# Altium PCB PLC1.PcbDoc (part 2 of 4)
Units mm, origin at the board's own origin, x right, y up, seen from the top; angles counter-clockwise.
Board outline 175 x 81 mm, 2 copper layers (Top Layer, Bottom Layer), stack 1.471 mm thick; 347 components, 299 nets, 1265 pads, 687 vias.
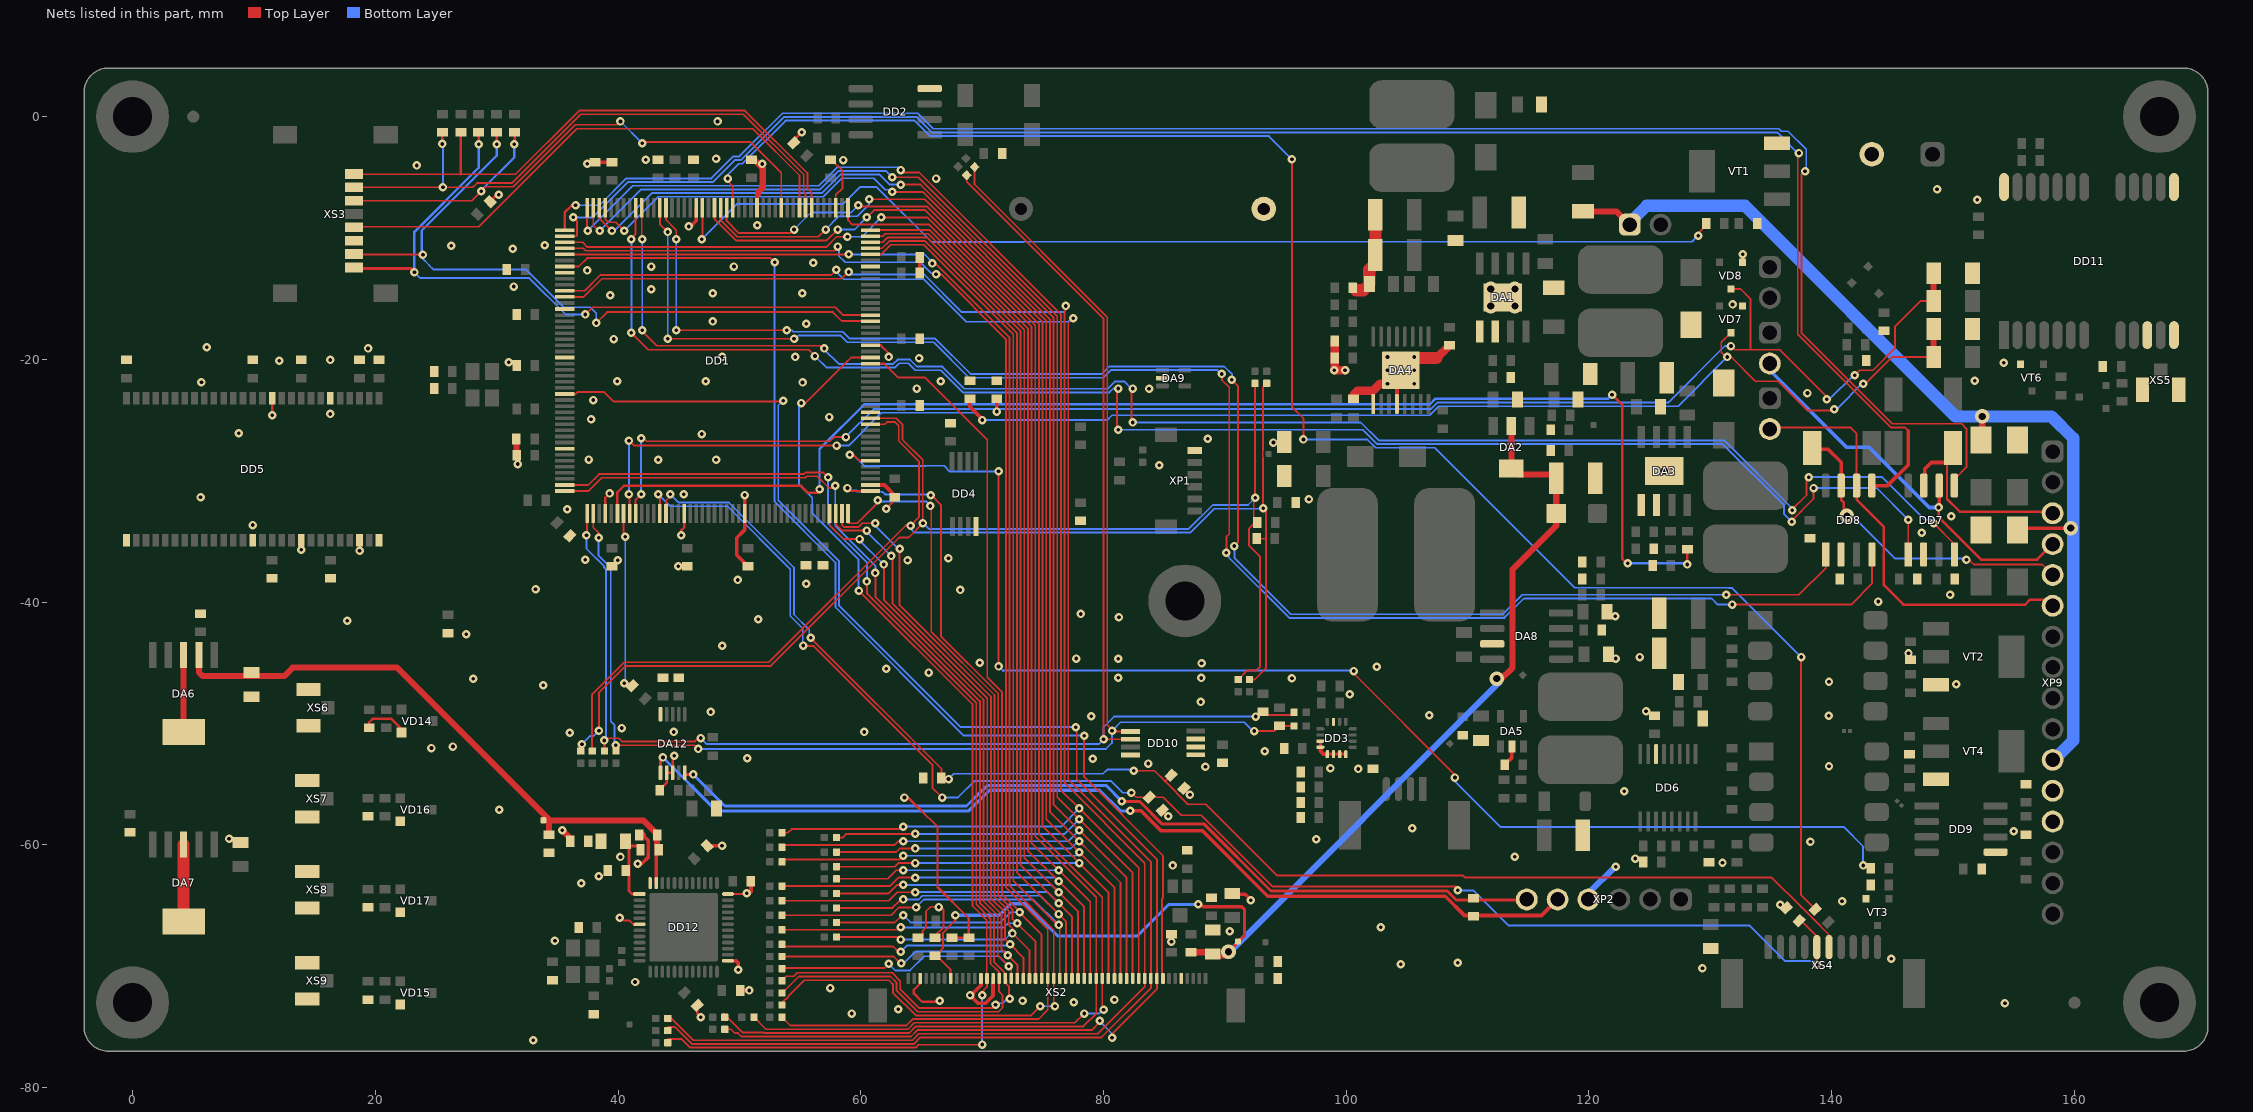
[diagram p2: the nets of this part, all layers, seen from the top]

## Via types
v1: diameter 0.7, hole 0.3, Top Layer to Bottom Layer, tented both sides, 670 vias
v2: diameter 1.2, hole 0.6, Top Layer to Bottom Layer, tented both sides, 16 vias
v3: diameter 0.7, hole 0.3, Top Layer to Bottom Layer, tented top, 1 vias

## Nets (pads, with @x,y where several pads share a name; then routed paths per layer and width w, separated by ;. In a path a pad name is that pad's centre, name@x,y a point inside that pad or via, vN(x,y) a via of type N, cw(c..) or ccw(c..) an arc to the next point about the centre after c; other vN are vias at no path point) (continued)
+24V: FU1.1 VD10.2 VD12.2 XP8.1 XP9.11 | length 83.2
  Top Layer w0.3: VD12.2@155.3,-34.05 155.45,-33.9 v2(159.7,-33.9)
  Top Layer w0.5: FU1.1@119.5,-7.8 122.26,-7.8 XP8.1@123.36,-8.9 ; VD10.2@152.3,-26.65 152.4,-26.55 v2(152.4,-24.7)
  Bottom Layer w0.5: XP8.1@123.36,-8.9 XP8.1@123.36,-8.74 ; XP9.11@158.2,-53 XP9.11@158.3,-53
  Bottom Layer w1: XP8.1@123.36,-8.74 124.752,-7.348 132.848,-7.348 150.2,-24.7 v2(152.4,-24.7) 158.1,-24.7 159.9,-26.5 159.9,-51.4 XP9.11@158.3,-53
ADC12_IN6: C109.2 DD1.52 R73.1 R77.2 VD7.3 | length 128.4
  Top Layer w0.15: v1(40.9,-31.1) 40.95,-31.15 DD1.52@40.95,-32.7 ; v1(40.9,-26.7) 41.293,-27.093 57.993,-27.093 v1(58,-27.1) ; VD7.3@131.7,-17.8 130.9,-18.6 130.9,-19.4 131.3,-19.8 v1(131.4,-19.8) 131.702,-19.8 133.702,-21.8 135.6,-21.8 138,-24.2 140,-24.2 v1@140.2,-24 ; v1(140.2,-24.1) v1@140.4,-24.1 ; v1(142.6,-22) 142.6,-21.9 142.9,-21.9 145,-19.8 R77.2@148.4,-19.8
  Top Layer w0.3: C109.2@69,-23.25 69,-23.9 70.1,-25 v1(70,-25)
  Top Layer w0.5: R77.2@148.4,-19.8 R73.1@148.4,-17.5
  Bottom Layer w0.15: v1(40.9,-31.1) v1@40.9,-26.8 ; v1(58,-27.1) 59,-27.1 61.7,-24.4 69.4,-24.4 v1(70,-25) 80.3,-25 80.7,-24.6 106.881,-24.6 107.622,-23.86 127.34,-23.86 v1(131.4,-19.8) ; v1(140.2,-24.1) 140.4,-24.1 142.6,-21.9 v1(142.6,-22)
ADC12_IN7: C110.2 DD1.53 R72.1 R75.2 VD8.3 | length 132.4
  Top Layer w0.15: DD1.53@41.45,-32.7 41.45,-31.55 v1(41.9,-31.1) ; v1(41.9,-26.5) 42.102,-26.5 42.352,-26.75 57.45,-26.75 57.8,-26.4 v1(58.777,-26.4) ; v1(131.7,-18.9) 132,-19.2 133.3,-19.2 ; VD8.3@131.7,-14.2 132.5,-14.2 133.3,-15 133.3,-19.2 ; v1(139.6,-23.3) 139.8,-23.3 135.7,-19.2 133.3,-19.2 ; v1(141.9,-21.3) 142.3,-20.9 143.4,-20.9 145.2,-19.1 145.2,-17.3 147.3,-15.2 R75.2@148.4,-15.2
  Top Layer w0.3: v1(71.2,-24.3) C110.2@71.2,-23.25
  Top Layer w0.5: R75.2@148.4,-15.2 R72.1@148.4,-12.9
  Bottom Layer w0.15: v1(41.9,-31.1) v1(41.9,-26.5) ; v1(58.777,-26.4) 58.777,-26.38 61.06,-24.098 106.956,-24.098 107.496,-23.557 126.543,-23.557 131.2,-18.9 v1(131.7,-18.9) ; v1(139.6,-23.3) 139.8,-23.3 141.8,-21.3 v1(141.9,-21.3)
AUD+: DA12.10 R109.2 XP2.6 | length 75.1
  Top Layer w0.25: DA12.10@45.5,-54.3 45.6,-54.2 v1(46.2,-54.2) ; v1(81.5,-56.4) 81.527,-56.427 82.977,-56.427 84.85,-58.3 88.3,-58.3 93.8,-63.8 108.325,-63.8 109.05,-64.525 114.85,-64.525 XP2.6@114.875,-64.5
  Bottom Layer w0.25: v1(46.2,-54.2) 48.798,-56.798 68.702,-56.798 70.002,-55.498 70.038,-55.498 70.438,-55.098 80.198,-55.098 v1(81.5,-56.4)
AUD-: DA12.6 R109.1 XP2.5 | length 82.4
  Top Layer w0.25: DA12.6@43.5,-54.05 43.5,-53 v1(43.7,-52.8)
  Top Layer w0.3: v1(82.2,-57.2) 83.096,-57.2 84.721,-58.825 88.125,-58.825 93.527,-64.227 108.148,-64.227 109.746,-65.825 116.09,-65.825 XP2.5@117.415,-64.5
  Bottom Layer w0.25: v1(43.7,-52.8) 48.1,-57.2 68.904,-57.2 70.604,-55.5 79.673,-55.5 81.373,-57.2 v1(82.2,-57.2)
AUDIO_OUT: C117.2 DD1.51 | length 14.8
  Top Layer w0.15: DD1.51@40.45,-32.7 40.45,-34.35 v1(40.6,-34.6)
  Top Layer w0.2: v1(40.525,-46.675) 41.05,-46.675 C117.2@41.187,-46.812
  Bottom Layer w0.15: v1(40.525,-46.675) 40.6,-46.6 v1(40.6,-34.6)
AVDAD: C64.2 C126.1 DD12.1 L9.1 | length 5.7
  Top Layer w0.254: DD12.1@41.75,-64.05 41.15,-64.05 40.9,-63.8 40.9,-60.1 L9.1@41.95,-60.1
AVDD_DISP: C32.2 C34.2 C77.1 DA2.2 DA2.4 R3.1 R22.1 TP1.1 VD5.2 XS2.43 | length 98
  Top Layer w0.15: C77.1@66.1,-69.15 66.777,-68.473 66.777,-67.248 67.8,-66.225 v1(67.8,-65.8) ; C77.1@66.2,-69.15 66.25,-69.15 67.4,-70.3 XS2.43@67.4,-71
  Top Layer w0.25: v1(87.8,-64.9) 88,-64.9 88.2,-65.1 91.4,-65.1 91.6,-65.3 91.6,-67.5 v2(90.3,-68.8)
  Top Layer w0.3: C34.2@89,-69.2 90.3,-69.2 v2(90.3,-68.8)
  Top Layer w0.5: R22.1@87.2,-68.85 88.85,-68.85 C34.2@89,-69 ; v2@112.7,-46.4 113.7,-45.4 113.7,-37.3 117.3,-33.7 C32.2@117.3,-29.8 117,-29.5 114.1,-29.5 DA2.4@113.6,-29 DA2.2@113.6,-25.5
  Bottom Layer w0.25: v1(67.8,-65.8) 71.4,-65.8 72.348,-64.852 73.554,-64.852 76.201,-67.499 82.801,-67.499 85.4,-64.9 v1(87.8,-64.9)
  Bottom Layer w0.5: v2@90.4,-68.9 90.4,-68.838 v2@112.538,-46.7
  other v2: 112.4,-46.3
AVDPLL: C57.2 C60.1 C125.1 DA6.2 DD12.47 L9.2 TP5.1 | length 50.5
  Top Layer w0.254: L9.2@43.15,-60 43.25,-59.9
  Top Layer w0.3: DD12.47@43.15,-63.15 L9.2@43.15,-60
  Top Layer w0.5: DA6.2@5.47,-44.36 5.47,-45.77 5.8,-46.1 12.5,-46.1 13.2,-45.4 21.8,-45.4 26.2,-49.8 34.3,-57.9 C125.1@34.3,-59.15 ; 34.3,-58 34.302,-58.002 42.102,-58.002 43.2,-59.1 43.2,-59.9
CAN1_CONT: DD1.1 DD7.5 | length 145.5
  Top Layer w0.15: v1(137.8,-4.5) 137.5,-4.8 137.5,-17.8 145,-25.3 150.7,-25.3 151.1,-25.7 151.1,-28.9 150.2,-29.8 DD7.5@150.2,-30.4
  Top Layer w0.2: DD1.1@35.6,-9.35 35.6,-7.9 36.2,-7.3 v1(36.5,-7.3)
  Bottom Layer w0.15: v1(36.5,-7.3) 38.472,-7.3 40.68,-5.093 44.4,-5.093 44.407,-5.086 47.689,-5.086 49.498,-3.277 49.995,-3.277 53.552,0.28 56.051,0.28 56.053,0.277 64.7,0.277 65.975,-0.998 135.625,-0.998 135.825,-1.198 136.398,-1.198 137.9,-2.7 v1@137.9,-4.5
CAN1_RX: DD1.167 DD7.4 | length 133.5
  Top Layer w0.15: DD1.167@41.95,-7.5 41.95,-9.95 42.1,-10.1 v1(42,-10.1) ; v1(42,-17.6) 42,-17.7 43.177,-18.877 56.677,-18.877 57,-19.2 v1(57,-19.1) ; v1(82.4,-25.2) 82.3,-25.2 82.3,-22.4 v1(82.4,-22.4) ; v1(136.75,-32.425) 136.75,-32.35 137.923,-31.177 137.923,-29.977 v1@138.1,-29.8 ; v1@138,-29.9 v1@138.1,-29.8 ; v1(138.1,-29.7) v1@138.1,-29.8 ; v1@138.2,-29.8 v1@138.1,-29.8 ; v1(148.4,-33.5) 150.11,-35.21 DD7.4@150.11,-36.075
  Bottom Layer w0.15: v1(42,-17.6) v1(42,-10.1) ; v1(57,-19.1) 57,-19.2 58.177,-20.377 62.678,-20.377 63.036,-20.02 64.054,-20.02 64.634,-20.6 66.728,-20.6 68.542,-22.414 80.358,-22.414 80.953,-21.819 81.719,-21.819 82.3,-22.4 v1(82.4,-22.4) ; v1(82.4,-25.2) 101.2,-25.2 102.675,-26.675 131.15,-26.675 136.688,-32.213 136.75,-32.15 v1(136.75,-32.425) v1@136.875,-32.425 ; v1(138.1,-29.7) 138.1,-29.8 138,-29.7 144.166,-29.7 147.666,-33.2 148.2,-33.2 148.4,-33.4 v1(148.4,-33.5)
CAN1_TX: DD1.168 DD7.1 | length 131.2
  Top Layer w0.15: v1(41.1,-17.8) 42.5,-19.2 55.7,-19.2 v1(56.225,-19.725) ; v1(41.1,-10.1) 41,-10.1 41.45,-9.65 DD1.168@41.45,-7.5 ; v1@81.1,-22.2 81.1,-25.8 v1(81.2,-25.8) ; v1(136.7,-33.375) 136.7,-33.3 138.5,-31.5 v1(138.5,-30.6) ; DD7.1@146.3,-36.075 v1(146.3,-33.2)
  Bottom Layer w0.15: v1(41.1,-17.8) v1(41.1,-10.1) ; v1(56.225,-19.725) 57.18,-20.68 62.804,-20.68 63.161,-20.323 63.923,-20.323 64.502,-20.902 66.602,-20.902 68.417,-22.717 80.483,-22.717 80.8,-22.4 v1(81.2,-22.4) ; v1(81.2,-25.8) 101.372,-25.8 102.55,-26.977 131.025,-26.977 136.075,-32.028 136.075,-32.75 v1(136.7,-33.375) ; v1(138.5,-30.6) 143.7,-30.6 v1(146.3,-33.2)
CAN2_CONT: DD1.2 DD8.5 | length 142.5
  Top Layer w0.15: DD1.2@35.6,-9.85 36.55,-9.85 36.627,-9.773 36.627,-8.627 v1(36.3,-8.3) ; v1(137.3,-3) v1@137.3,-3.1 ; v1@137.4,-3.2 v1@137.3,-3.1 ; 146.3,-25.9 146.002,-25.602 144.875,-25.602 137.198,-17.925 137.198,-3.202 v1@137.3,-3.1
  Top Layer w0.3: DD8.5@143.3,-30.4 144.6,-30.4 146.3,-28.7 146.3,-25.9
  Bottom Layer w0.15: v1(36.3,-8.3) 37.9,-8.3 40.805,-5.395 47.807,-5.395 49.623,-3.58 50.12,-3.58 53.677,-0.023 55.925,-0.023 55.928,-0.025 64.575,-0.025 65.85,-1.3 135.5,-1.3 137.3,-3.1 v1(137.3,-3)
CAN2_RX: DD1.163 DD8.1 | length 127.4
  Top Layer w0.15: DD1.163@43.95,-7.5 43.95,-8.503 44.8,-9.353 v1(44.8,-10.1) ; v1(44.8,-17.6) v1(53.9,-17.6) ; v1(90.575,-21.675) 91.075,-22.175 91.075,-35.081 v1(90.779,-35.377) ; v1(131.3,-39.4) 137.3,-39.4 139.5,-37.2 DD8.1@139.5,-36.075
  Bottom Layer w0.15: v1@44.8,-17.8 v1(44.8,-10.1) ; v1(53.9,-17.6) 54.3,-17.6 54.42,-17.72 58.52,-17.72 59.093,-18.293 66.131,-18.293 69.043,-21.205 79.857,-21.205 80.477,-20.585 89.951,-20.585 90.6,-21.233 90.6,-21.725 90.575,-21.7 v1(90.575,-21.675) ; v1(90.779,-35.377) 90.779,-36.352 95.425,-40.998 112.902,-40.998 114.5,-39.4 v1(131.3,-39.4)
CAN2_TX: DD1.164 DD8.4 | length 133.4
  Top Layer w0.15: DD1.164@43.45,-7.5 43.45,-8.85 v1(44.1,-9.5) ; v1@44,-18.3 v1(54.5,-18.3) ; v1(89.75,-21.2) 89.75,-21.7 90.357,-22.307 90.357,-34.387 90.125,-34.619 90.125,-35.674 v1@90.377,-35.927 ; v1(131.8,-40.2) 131.6,-40.2 141.6,-40.2 143.31,-38.49 DD8.4@143.31,-36.075
  Bottom Layer w0.15: v1@44.1,-18.1 v1(44.1,-9.5) ; v1@54.7,-18.2 54.877,-18.023 58.323,-18.023 58.895,-18.595 66.006,-18.595 68.918,-21.507 79.982,-21.507 80.602,-20.887 89.387,-20.887 89.7,-21.2 v1(89.75,-21.2) ; v1(90.104,-35.927) 90.3,-36.122 90.3,-36.3 95.3,-41.3 113.028,-41.3 114.625,-39.702 130.1,-39.702 130.598,-40.2 v1(131.8,-40.2)
  other v1: 44.1,-18.3
CANH1: DD7.7 R48.1 XP9.3 | length 17.6
  Top Layer w0.2: R48.1@150,-27.9 149.5,-28.4 149.5,-31.5 150.548,-32.548 158.068,-32.548 XP9.3@158.2,-32.68
  Top Layer w0.3: DD7.7@147.7,-29.675 147.6,-29.575 147.65,-29.525 147.65,-29.05 148.2,-28.5 149.6,-28.5 150,-28.1 150,-27.4 R48.1@150,-27.9
CANH2: DD8.7 R49.1 XP9.5 | length 26.2
  Top Layer w0.15: v1(151.1,-36.5) 151.3,-36.5 151.7,-36.9 157.34,-36.9 XP9.5@158.2,-37.76
  Top Layer w0.2: DD8.7@140.775,-30.4 140.775,-31.575 141,-31.8 141,-32.65 v2(141.25,-32.9)
  Top Layer w0.3: R49.1@138.6,-27.4 139.7,-27.4 140.775,-28.475 DD8.7@140.775,-30.4
  Bottom Layer w0.15: v2(141.25,-32.9) 141.7,-32.9 145.2,-36.4 v1@151.1,-36.4
CANL1: DD7.6 XP4.2 XP9.4 | length 34.1
  Top Layer w0.2: v1(148.8,-32.2) 148.8,-33 152.3,-36.5 156.92,-36.5 XP9.4@158.2,-35.22
  Top Layer w0.3: v1@148.85,-32.05 DD7.6@148.85,-30.4 DD7.6@148.85,-29.9
  Bottom Layer w0.3: XP4.2@135.452,-20.452 135.012,-20.452 XP4.2@134.9,-20.34 134.9,-20.906 141.247,-27.253 143.084,-27.253 148.031,-32.2 v1(148.8,-32.2)
CANL2: DD8.6 XP5.2 XP9.6 | length 35.8
  Top Layer w0.15: XP5.2@134.9,-25.74 135.04,-25.6 141.517,-25.6 142.05,-26.133 DD8.6@142.05,-30.4
  Top Layer w0.2: DD8.6@142.05,-30.4 142.05,-31.55 144.3,-33.8 144.3,-38.6 145.9,-40.2 155.948,-40.2 156.35,-39.798 157.698,-39.798 XP9.6@158.2,-40.3
CDMMC1_CK: DD1.141 XS3.5 | length 44.3
  Top Layer w0.15: XS3.5@18.25,-9.075 18.252,-9.077 28.506,-9.077 36.583,-1 51.1,-1 54.95,-4.85 DD1.141@54.95,-7.5
CDMMC1_CMD: DD1.144 R41.2 XS3.3 | length 48.4
  Top Layer w0.15: XS3.3@18.675,-6.925 27.95,-6.925 29.1,-5.775 31.38,-5.775 36.48,-0.675 39.925,-0.675 v1(40.2,-0.4) ; v1(42,-2.2) 42.1,-2.3 42.3,-2.1 50.917,-2.1 53.45,-4.633 DD1.144@53.45,-7.5
  Top Layer w0.2: v1(31.444,-2.275) 31.475,-2.244 R41.2@31.475,-1.3
  Bottom Layer w0.15: v1(40.2,-0.4) v1(42,-2.2)
  Bottom Layer w0.2: v1(28.725,-6.15) 28.65,-6.15 31.444,-3.356 v1(31.444,-2.275)
CDMMC1_D0: DD1.117 R42.2 XS3.7 | length 59.4
  Top Layer w0.15: XS3.7@17.8,-11.35 23.9,-11.35 v1(23.925,-11.375) ; v1(38.2,-17) 39.1,-16.1 57.7,-16.1 58.45,-16.85 DD1.117@60.8,-16.85
  Top Layer w0.2: v1@29.975,-2.3 v1(30,-2.275) R42.2@30,-1.3
  Bottom Layer w0.15: v1(23.925,-11.375) 23.925,-11.725 24.423,-12.223 24.423,-12.239 24.761,-12.577 24.777,-12.577 24.8,-12.6 32.428,-12.6 35.528,-15.7 37.7,-15.7 38.2,-16.2 v1(38.2,-17)
  Bottom Layer w0.2: v1(23.925,-11.375) 23.825,-11.275 23.825,-9.396 30,-3.221 v1(30,-2.275)
CDMMC1_D1: DD1.118 R43.2 XS3.8 | length 57.8
  Top Layer w0.15: v1(37.3,-16.3) 37.9,-15.7 57.9,-15.7 58.55,-16.35 DD1.118@60.8,-16.35
  Top Layer w0.2: R43.2@28.5,-1.3 28.525,-1.325 v1(28.525,-2.275)
  Top Layer w0.254: XS3.8@18.65,-12.5 22.925,-12.5 v1@23.075,-12.65
  Bottom Layer w0.15: v1(23.225,-12.825) 23.7,-13.3 32.7,-13.3 35.7,-16.3 v1(37.3,-16.3)
  Bottom Layer w0.2: v1(23.225,-12.825) 23.223,-12.823 23.223,-9.5 28.525,-4.198 v1(28.525,-2.275) v1@28.5,-2.25
CDMMC1_D2: DD1.139 R44.2 XS3.1 | length 47.7
  Top Layer w0.15: XS3.1@18.675,-4.75 27.025,-4.75 ; 27.05,-4.75 31.55,-4.75 36.8,0.5 50.455,0.5 55.6,-4.645 55.6,-5.9 55.95,-6.25 DD1.139@55.95,-7.5
  Top Layer w0.2: 27.05,-4.75 R44.2@27.05,-1.3
CDMMC1_D3: DD1.140 R45.2 XS3.2 | length 48.6
  Top Layer w0.15: XS3.2@18.675,-5.875 18.725,-5.825 28.025,-5.825 28.377,-5.473 31.255,-5.473 36.925,0.198 50.33,0.198 55.298,-4.77 55.298,-6.198 55.45,-6.35 DD1.140@55.45,-7.5
  Top Layer w0.2: v1(25.525,-2.25) 25.525,-1.325 R45.2@25.55,-1.3
  Bottom Layer w0.2: v1@25.5,-2.225 v1(25.525,-2.25) 25.575,-2.3 v1(25.575,-5.825)
CDMMC1_DETECT: DD1.8
COL1: C107.2 DD1.57 R65.1 XS4.5 | length 124.2
  Top Layer w0.15: v1(43.3,-31.1) 43.45,-31.25 DD1.57@43.45,-32.7 ; v1@55.2,-43.625 56.122,-43.625 65.9,-53.403 65.9,-55.3 v1(66.7,-56.1) ; v1(82.3,-55.7) 82.675,-56.075 84.92,-56.075 86.404,-57.56 88.06,-57.56 93.939,-63.439 109.039,-63.439 109.175,-63.575 v1(109.175,-63.75) ; R65.1@137.375,-65.825 137.375,-66.186 R65.1@137.305,-66.255 137.505,-66.255 138.775,-67.525 138.775,-70.125 138.75,-70.1 v1(138.75,-69.875)
  Bottom Layer w0.15: v1(43.3,-31.1) 44.302,-32.102 49.019,-32.102 54.195,-37.279 54.195,-41.145 55.225,-42.175 55.225,-43.325 55.05,-43.5 55.127,-43.577 v1(55.253,-43.577) ; v1(66.7,-56.1) 68,-56.1 69.355,-54.745 80.629,-54.745 81.583,-55.7 v1(82.3,-55.7) ; v1(109.175,-63.75) 110.475,-63.75 113.375,-66.65 133.25,-66.65 136.175,-69.575 138.55,-69.575 138.75,-69.775 v1(138.75,-69.875)
COL2: C108.2 DD1.58 R66.1 XS4.6 | length 117.7
  Top Layer w0.15: DD1.58@43.95,-32.7 43.95,-31.65 v1@44.4,-31.2 ; v1@55.9,-42.9 55.9,-42.975 v1@56.1,-43.175 ; v1@56.1,-43.175 66.65,-53.725 R66.1@66.65,-54.5 66.75,-54.6 v1@67.3,-54.6 ; v1(82.5,-53.9) 84.2,-53.9 85.07,-54.77 ; C108.2@85.57,-54.27 85.07,-54.77 ; XS4.6@139.775,-68.425 139.775,-67.408 138.425,-66.058 137.475,-65.108 135.064,-62.698 109.794,-62.698 109.629,-62.532 94.315,-62.532 88.435,-56.652 86.952,-56.652 85.07,-54.77
  Bottom Layer w0.15: v1(44.3,-31.1) 45,-31.8 49.144,-31.8 54.498,-37.153 54.498,-41.02 55.75,-42.272 55.75,-42.825 v1(55.875,-42.95) ; v1(67.228,-54.578) 67.228,-54.571 67.659,-54.14 79.96,-54.14 80.3,-53.8 82.4,-53.8 v1(82.5,-53.9)
DRIVE_LUM: DD1.94 R69.1 | length 110.3
  Top Layer w0.15: v1(59.1,-27.85) 59.375,-27.85 59.875,-28.35 DD1.94@60.8,-28.35 ; v1(71.35,-45.3) v1(71.35,-29.225) ; v1(100.605,-45.677) 100.605,-45.88 108.955,-54.23 v1(108.955,-54.453)
  Bottom Layer w0.15: v1(59.1,-27.85) 59.378,-27.85 60.3,-28.773 65.338,-28.773 65.339,-28.772 66.866,-28.772 67.344,-29.25 71.375,-29.25 v1@71.4,-29.275 ; v1(71.35,-45.3) 71.725,-45.675 71.773,-45.627 100.598,-45.627 100.605,-45.635 v1(100.605,-45.677) ; v1(108.955,-54.453) 108.955,-54.775 112.705,-58.525 140.975,-58.525 142.575,-60.125 142.575,-61.65 142.6,-61.675 v1(142.6,-61.7)
GND: C1.1 C2.1 C3.1 C4.1 C5.1 C6.1 C7.2 C8.1 C9.2 C10.1 C11.1 C12.1 C13.1 C14.1 C15.2 C16.1 C17.1 C18.2 C19.2 C20.1 C21.2 C22.1 C23.1 C26.2 C27.1 C30.1 C31.1 C32.1 C33.2 C34.1 C35.1 C36.1 C38.2 C39.1 C40.1 C41.1 C42.1 C43.1 C44.1 C45.1 C46.1 C47.1 C48.1 C49.1 C50.1 C51.1 C52.1 C53.1 C54.1 C56.1 C58.1 C61.1 C62.1 C63.1 C65.1 C66.1 C67.2 C68.2 C69.2 C70.1 C71.2 C72.1 C73.1 C74.1 C75.2 C76.1 C77.2 C78.2 C79.1 C80.2 C81.2 C82.2 C83.2 C84.2 C85.2 C86.2 C87.1 C88.1 C89.2 C90.2 C91.2 C92.1 C93.2 C94.2 C95.1 C96.2 C97.1 C98.2 C101.2 C102.2 C103.2 C104.2 C105.2 C106.2 C107.1 C108.1 C109.1 C110.1 C111.2 C112.2 C113.2 C114.2 C115.2 C116.1 C118.2 C119.1 C120.1 C121.2 C122.2 C123.2 C124.2 C127.1 C128.1 DA1.1 DA1.2 DA1.9 DA3.1 DA3.2 DA3.9 DA4.9 DA4.12 DA4.17 DA5.2 DA7.3 DA7.6 DA8.3 DA9.2 DA12.5 DA12.7 DA12.8 DD1.14 DD1.22 DD1.37 DD1.48 DD1.61 DD1.71 DD1.90 DD1.102 DD1.113 DD1.126 DD1.135 DD1.148 DD1.158 DD2.4 DD3.3 DD3.7 DD3.8 DD3.9 DD3.10 DD3.11 DD3.12 DD4.4 DD5.6 DD5.12 DD5.28 DD5.41 DD5.46 DD5.52 DD5.54 DD6.14 DD7.2 DD8.2 DD9.5 DD10.4 DD10.5 DD10.6 DD10.7 DD11.10 DD11.12 DD11.13 DD11.24 DD12.25 DD12.36 GB1.1 L10.1 R2.1 R4.2 R9.2 R11.1 R12.2 R14.2 R23.2 R38.1 R39.2 R46.2 R47.2 R52.2 R58.1 R65.2 R66.2 R67.1 R72.2 R73.2 R74.1 R76.1 R110.2 VD2.1 VD3.1 VD7.1 VD8.1 VD9.1 VD11.1 VT1.3 VT2.3 VT3.2 VT4.3 VT6.2 XP1.6 XP2.4 XP9.12 XP9.13 XS2.5 XS2.36 XS2.38 XS2.48 XS3.6 XS5.2 | length 122
  Top Layer w0.15: C11.1@57.5,-3.55 57.575,-3.55 58.5,-4.475 58.5,-5.889 57.944,-6.446 57.944,-7.494 DD1.135@57.95,-7.5 ; C78.2@64.7,-67.65 65.025,-67.65 65.092,-67.583 65.092,-67.081 65.375,-66.797 65.375,-65.475 65.75,-65.1 ; 64.85,-57.05 66.325,-58.525 66.325,-63.473 ; C77.2@66.1,-67.65 66.1,-67.497 66.825,-66.772 66.825,-65.325 66.6,-65.1 65.75,-65.1 ; v1@66.325,-65.1 65.75,-65.1
  Top Layer w0.2: v1(11.5,-24.6) DD5.12@11.5,-23.2 ; C89.2@29.455,-6.995 30.025,-6.425 v1(30.175,-6.425) ; DD1.48@38.95,-32.7 38.95,-31.4 v1(39.3,-31.05) ; C119.1@43.45,-55.5 43.45,-55.45 44,-54.9 DA12.7@44,-54.05 DA12.8@44.5,-54.05 44.5,-52.775 v1(44.625,-52.65) ; v1@44.95,-34.5 v1(45.2,-34.5) 45.2,-34.1 45.45,-33.85 DD1.61@45.45,-32.7 ; C124.2@46.53,-73.23 46.53,-73.93 v1(46.8,-74.2) ; DD12.36@49.05,-64.05 v1@50.55,-64.05 ; R38.1@54.47,-2.17 54.47,-1.955 v1(55.125,-1.3) ; DD1.113@60.8,-18.85 61.65,-18.85 62.3,-19.5 v1(62.3,-19.8) ; v1(62.1,-32.3) C20.1@63,-31.4 ; v1(63.6,-56.1) 63.9,-56.1 64.85,-57.05 ; XS2.48@64.925,-70.975 XS2.48@64.9,-71 64.9,-71.413 64.375,-71.938 64.375,-72.252 65.048,-72.925 66.425,-72.925 v1(66.5,-72.85) ; 66.325,-63.473 68.9,-66.048 C58.1@68.9,-67.65 C63.1@67.5,-67.65 ; C107.1@84.83,-57.13 85.325,-57.625 v1(85.325,-57.65) ; C108.1@86.63,-55.33 86.63,-55.48 87.025,-55.875 v1(87.125,-55.875) ; C105.2@124.45,-61.568 C105.2@124.45,-61.5 ; VD8.1@132.675,-11.975 v1(132.675,-11.325)